# Altium PCB Bran_Main_Assay_PCB_v2_20170728.pcbdoc (part 3 of 4)
Units mil, origin at the board's own origin, x right, y up, seen from the top; angles counter-clockwise.
Board outline 3608.46 x 1899.79 mil, 6 copper layers (TOP, GND1, Singal, POWER, GND2, BOTTOM), stack 31.508 mil thick; 363 components, 288 nets, 1395 pads, 968 vias.
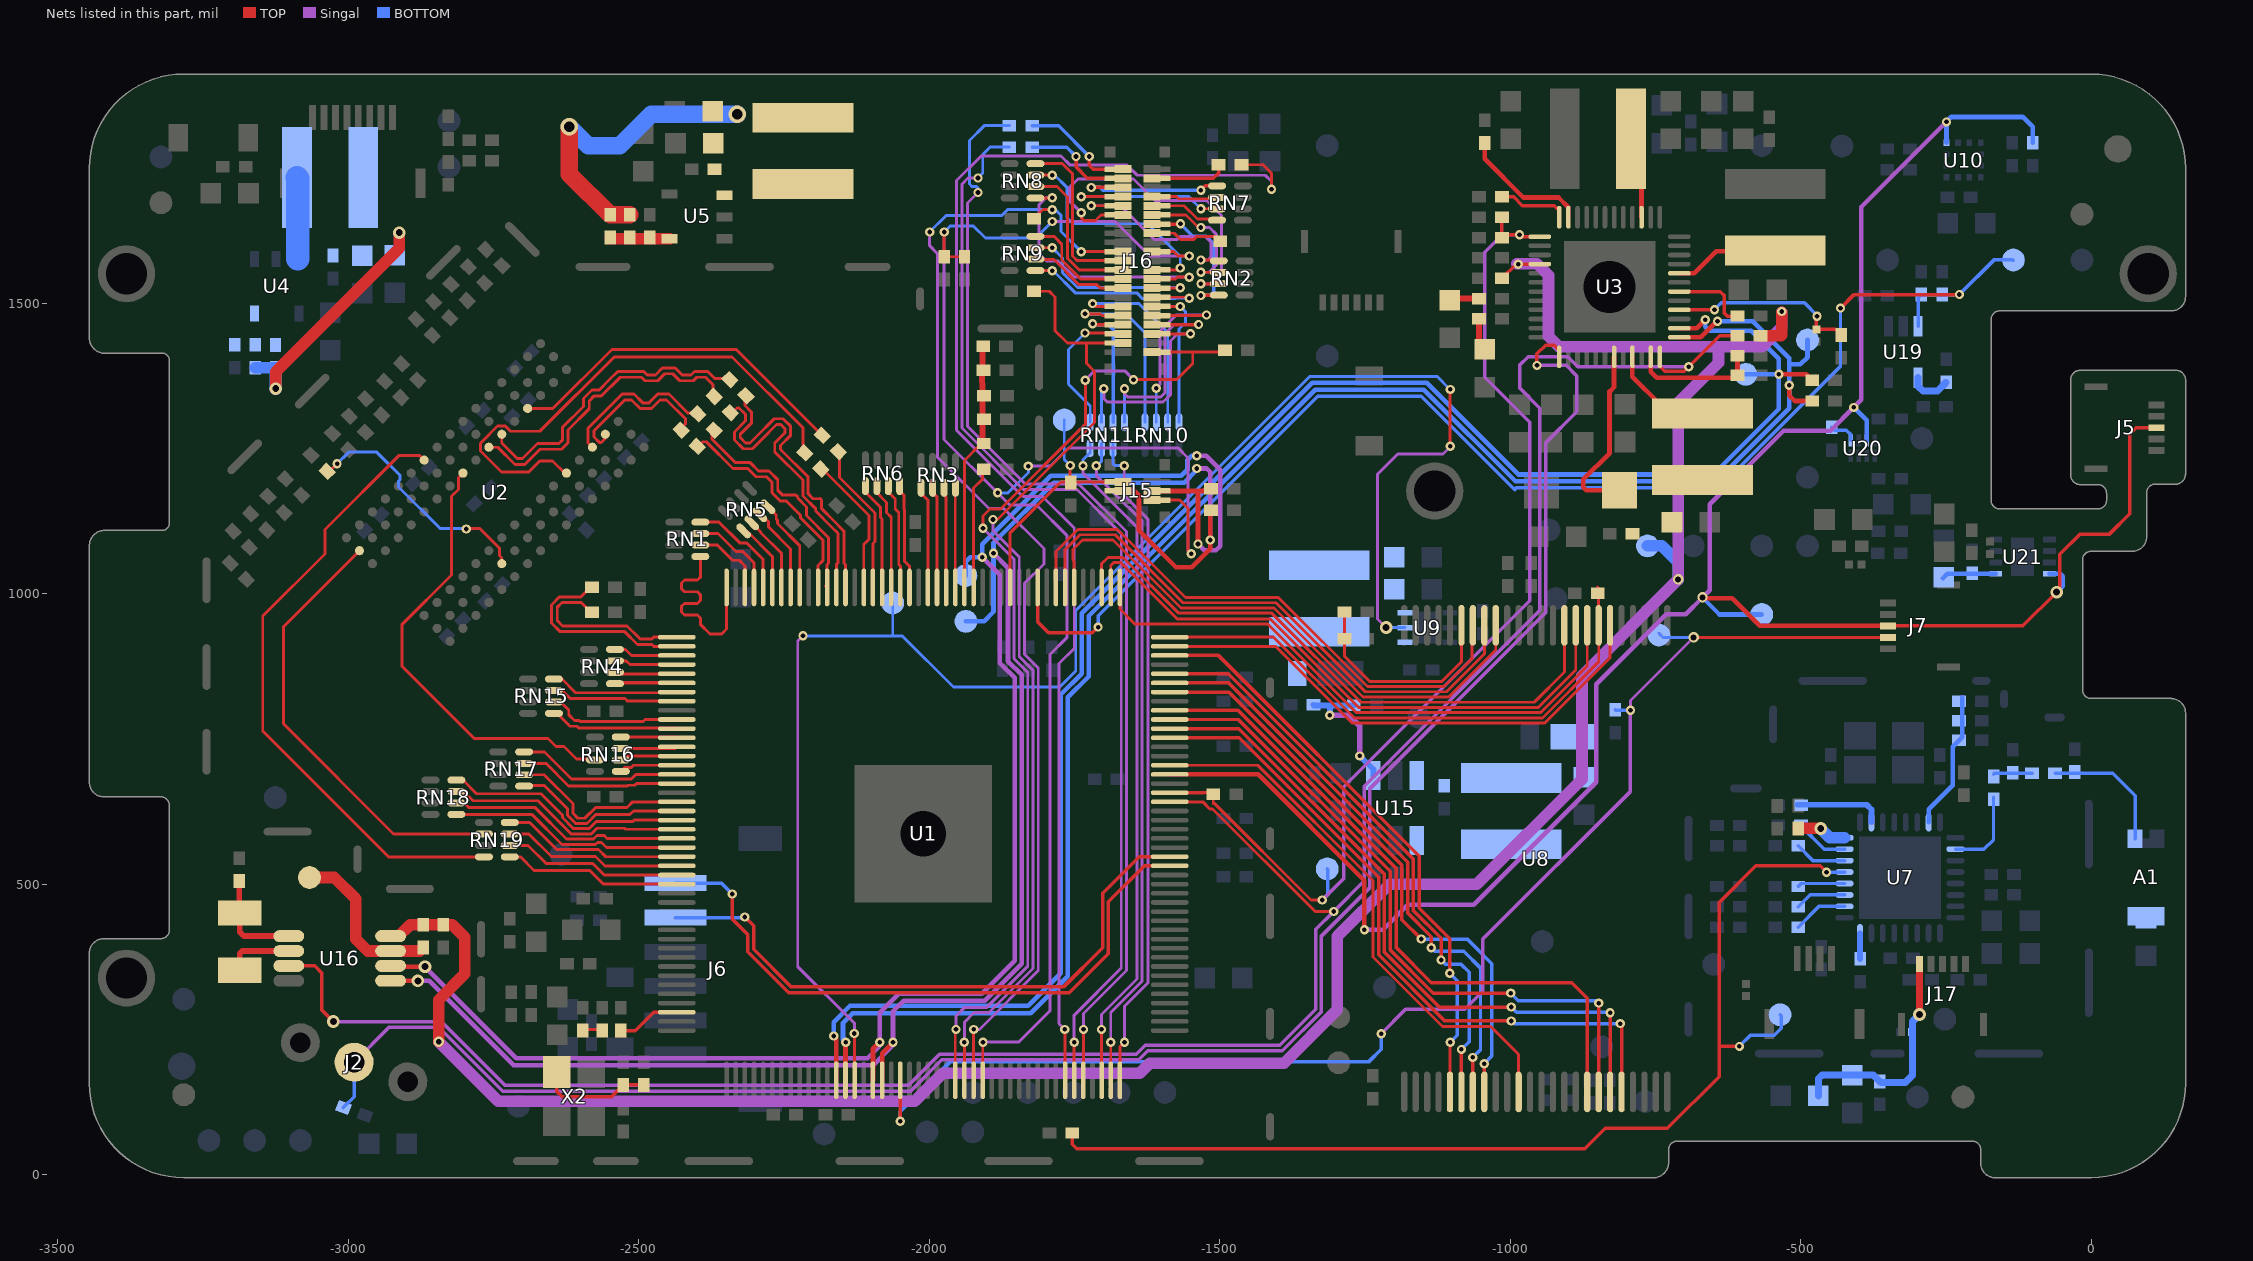
[diagram p7: the nets of this part, all layers, seen from the top]

## Via types
v1: diameter 16, hole 8, TOP to BOTTOM, tented both sides, 424 vias
v2: diameter 18, hole 10, TOP to BOTTOM, tented both sides, 255 vias
v3: diameter 22, hole 12, TOP to BOTTOM, tented both sides, 196 vias
v4: diameter 30, hole 18, TOP to BOTTOM, tented both sides, 69 vias
v5: diameter 24, hole 13, TOP to BOTTOM, tented both sides, 11 vias
v6: diameter 19.68, hole 7.87, TOP to BOTTOM, 9 vias
v7: diameter 22, hole 2, TOP to BOTTOM, tented both sides, 2 vias
v8: diameter 17.99, hole 10, TOP to BOTTOM, tented both sides, 1 vias
v9: diameter 20, hole 10, TOP to BOTTOM, tented both sides, 1 vias

## Nets (pads, with @x,y where several pads share a name; then routed paths per layer and width w, separated by ;. In a path a pad name is that pad's centre, name@x,y a point inside that pad or via, vN(x,y) a via of type N, cw(c..) or ccw(c..) an arc to the next point about the centre after c; other vN are vias at no path point) (continued)
LCD-D21: RN11.2 U1.132 | length 1150.3
  TOP w5: U1.132@-1671.85,162.71 -1671.85,220.47 v1(-1664.02,228.31)
  Singal w5: v1(-1664.45,1220.74) -1664.45,1169.4 -1623.61,1128.56 -1623.61,330.53 -1664.02,290.12 v1(-1664.02,228.31)
  BOTTOM w5: RN11.2@-1683.61,1258.83 RN11.2@-1683.61,1250.96 -1683.61,1223.99 -1680.36,1220.74 v1(-1664.45,1220.74)
LCD-D22: RN11.3 U1.131 | length 1157.3
  TOP w5: U1.131@-1687.6,162.71 v1@-1687.6,228.26
  Singal w5: v1(-1712.45,1220.83) -1712.45,1203.5 -1683.14,1174.2 -1633.65,1125.83 -1633.65,333.22 -1687.65,279.22 v1(-1687.65,228.31)
  BOTTOM w5: v1(-1712.45,1220.83) -1712.45,1219.8 -1703.29,1228.96 RN11.3@-1703.29,1250.96 RN11.3@-1703.29,1258.83
LCD-D23: RN11.4 U1.130 | length 1164.7
  TOP w5: U1.130@-1703.34,162.71 v1@-1703.34,250
  Singal w5: v1(-1735.45,1220.74) -1735.45,1207.63 -1642.65,1114.83 -1642.65,336.95 -1703.65,275.95 v1(-1703.65,250.31)
  BOTTOM w5: v1(-1735.45,1220.74) -1735.45,1230.83 -1722.98,1243.3 RN11.4@-1722.98,1250.96 RN11.4@-1722.98,1258.83
LCD-DE: R44.2 U1.128 | length 1913.3
  TOP w5: U1.128@-1734.84,162.71 -1734.65,162.9 v1(-1734.65,250.31)
  Singal w5: v1(-1916.3,1691) -1934.3,1673 -1934.3,1288.59 -1834.54,1188.83 -1742.26,1188.83 -1660.65,1107.21 -1660.65,351.68 -1734.65,277.68 v1(-1734.65,250.31)
  BOTTOM w5: v1(-1916.3,1691) -1916.3,1698.85 -1918.44,1700.99 -1926.3,1700.99 -1930.8,1705.5 -1930.8,1780.67 -1905.46,1806 R44.2@-1862.15,1806
LCD-HSYNC: R46.2 U1.127 | length 1891.6
  TOP w5: v1(-1750.65,228.31) -1750.65,162.77 U1.127@-1750.59,162.71
  Singal w5: v1(-1916.3,1716) -1933.19,1716 ; v1@-1912.46,1716 -1933.19,1716 ; v1(-1750.65,228.31) -1750.65,274.83 -1669.65,355.83 -1669.65,1103.48 -1745.99,1179.83 -1838.26,1179.83 -1943.95,1285.51 -1943.95,1705.24 -1933.19,1716
  BOTTOM w5: v1(-1916.3,1716) -1907.94,1724.35 -1907.94,1756.52 -1895.46,1769 R46.2@-1862.15,1769
LCD-PWM0: TP26.1 U1.103 U9.5 | length 2853.5
  TOP w5: v1(-2129.02,243.31) -2129.02,163.19 U1.103@-2128.54,162.71 ; v1(-1103.46,1254) v1(-1103.46,1352)
  Singal w5: v1(-2217.45,927.74) -2226.46,918.72 -2226.46,358.28 -2129.02,260.83 v1(-2129.02,243.31) ; v3(-1213.46,942) -1228.46,957 -1228.46,1206 -1193.46,1241 -1115.46,1241 -1103.46,1253 v1(-1103.46,1254)
  BOTTOM w5: v1(-2217.45,927.74) -2046.45,927.74 -1958.45,839.74 -1775.35,839.74 -1747.95,867.15 -1747.95,971.24 -1345.19,1374 -1125.46,1374 v1(-1103.46,1352) ; -2062.99,928.21 TP26.1@-2062.99,984.25 ; v3(-1213.46,942) U9.5@-1180.85,942
LCD-RESET-N: C120.2 J15.5 J16.19 R55.1 U1.117 | length 2977.5
  TOP w5: v1@-1974.45,1624.74 C120.2@-1974.45,1580.43 R55.1@-1939.45,1580.43 ; U1.117@-1908.07,162.71 v1@-1908.07,227.88 ; J15.5@-1616.73,1161.42 J15.5@-1593.5,1161.42 -1569.04,1161.42 -1554.45,1146.83 -1554.45,1074.14 v1(-1549.3,1068.99) ; J16.19@-1616.73,1589.37 J16.19@-1593.5,1589.37 -1579.08,1589.37 -1571.45,1581.74 v1(-1552.45,1581.74) v1@-1551.45,1581.74
  Singal w5: v1(-1974.46,1623) -1974.46,1266 v1(-1882.46,1174) -1861.46,1153 -1815.46,1153 -1763.3,1100.83 -1763.3,924.61 -1792.3,895.61 -1792.3,282.47 -1846.46,228.31 v1(-1907.65,228.31) ; v1(-1829.46,1220) -1791.46,1220 -1760.46,1251 -1571.46,1251 -1554.45,1233.98 -1554.45,1074.14 v1(-1549.3,1068.99) ; v1(-1788.3,1640.99) -1679.94,1640.99 -1620.69,1581.74 v1(-1552.45,1581.74)
  BOTTOM w5: v1(-1974.46,1623) -1964.47,1632.99 -1923.79,1632.99 -1903.3,1612.5 -1816.79,1612.5 v1(-1788.3,1640.99) ; v1(-1882.46,1174) -1864.46,1174 -1829.46,1209 v1(-1829.46,1220)
LCD-SPI1_CLK: J16.40 R79.2 U1.115 | length 1668.5
  TOP w5: U1.115@-1939.56,162.71 v1@-1939.56,228.22 ; v1(-1890.46,1128) -1882.74,1128 -1715.46,1295.27 -1715.46,1383 -1729.46,1397 -1729.46,1431.89 ; R79.2@-1819.78,1521 -1793.46,1521 -1783.46,1511 -1783.46,1453 -1762.35,1431.89 -1729.46,1431.89 ; J16.40@-1666.73,1431.89 J16.40@-1689.96,1431.89 -1729.46,1431.89
  Singal w5: v1(-1939.65,228.31) -1939.52,228.44 -1939.52,256.31 -1939.65,256.44 -1939.65,262.68 -1923.02,279.31 -1897.44,279.31 -1821.46,355.28 -1821.46,868.55 -1845.15,892.23 -1845.15,1063.41 -1890.46,1108.73 v1(-1890.46,1128)
LCD-SPI1_CS0: J16.41 R80.2 U1.114 | length 1748.7
  TOP w5: U1.114@-1955.31,162.71 v1@-1955.31,249.01 ; v1(-1907.46,1113) -1907.46,1134 -1895.46,1146 -1877.46,1146 -1731.46,1292 v1(-1731.46,1368) ; v1(-1648.45,1368.74) -1574.45,1368.74 -1546.45,1396.74 -1546.45,1416.14 ; J16.41@-1616.73,1416.14 J16.41@-1593.5,1416.14 -1546.45,1416.14 ; R80.2@-1491.13,1419.74 -1494.73,1416.14 -1546.45,1416.14
  Singal w5: v1(-1954.02,250.31) -1954.02,273.31 -1939.02,288.31 -1901.16,288.31 -1830.46,359.01 -1830.46,864.82 -1854.15,888.5 -1854.15,1059.68 v1(-1907.46,1113) ; v1(-1731.46,1368) -1715.46,1384 -1663.71,1384 v1(-1648.45,1368.74)
LCD-SPI1_MOSI: J16.20 R81.2 U1.116 | length 2068
  TOP w5: U1.116@-1923.82,162.71 v1@-1923.82,250.13 ; R81.2@-1819.78,1646 -1804.28,1661.5 v1(-1788.3,1661.5) ; v1@-1737.92,1589.37 J16.20@-1689.96,1589.37 J16.20@-1666.73,1589.37
  Singal w5: v1@-1999.46,1626 -1999.41,1625.94 -1999.41,1599.4 -1986.16,1586.16 -1986.16,1235.86 -1897.3,1146.99 -1871.78,1146.99 -1802.77,1077.98 -1802.77,1051.69 -1836.15,1018.32 -1836.15,895.96 -1812.46,872.28 -1812.46,351.55 -1913.71,250.31 v1(-1923.65,250.31)
  BOTTOM w5: v1(-1999.46,1623) -1970.97,1651.49 -1875.3,1651.49 -1864.79,1662 -1783.46,1662 -1773.3,1651.83 -1773.3,1623.99 v1(-1738.3,1588.99)
LCD-VSYNC: R45.2 U1.126 | length 2344.5
  TOP w5: v1(-1766.65,250.31) -1766.34,250 U1.126@-1766.34,162.71 ; R45.2@-1462.76,1738.74 -1425.69,1738.74 -1410.94,1723.99 v1(-1410.94,1696.49)
  Singal w5: v1(-1766.65,250.31) -1776.52,260.18 -1776.52,879.95 -1750.52,905.95 -1750.52,1080.14 -1750.46,1080.19 -1750.46,1113.25 -1805.04,1167.83 -1838.99,1167.83 -1952.95,1281.78 -1952.95,1711.76 -1910.71,1754 -1773.46,1754 -1757.46,1738 -1659.5,1738 -1642.16,1720.67 -1421.62,1720.67 -1410.94,1709.99 v1(-1410.94,1696.49)
LDO_1V8_EN: R199.2 R210.1 TP2.1 U1.10 U19.3 | length 2339.2
  TOP w6: U1.10@-1813.58,1011.13 -1813.58,951.66 -1794.75,932.83 -1719.45,932.83 v1(-1709.45,942.83) ; v1(-431.46,1492) -408.15,1515.31 v1(-226.78,1515.31)
  BOTTOM w6: v1(-1709.45,942.83) -1709.45,962.37 -1331.32,1340.5 -1153.36,1340.5 -992.36,1179.49 -989.21,1182.64 -640.59,1182.64 -431.46,1391.76 v1(-431.46,1492) ; U19.3@-297.87,1460.91 -297.87,1509.91 R199.2@-292.46,1515.31 v1(-226.78,1515.31) -167.29,1574.8 -134.76,1574.8 TP2.1@-133.86,1573.91
LRADC: R181.1 U1.86 | length 109.7
  TOP w6: R181.1@-2531.3,248.31 -2506.17,248.31 -2474.64,279.83 U1.86@-2434.64,279.83
N495906: D4.2 R28.1 U3.4 | length 321.5
  TOP w6: U3.4@-708.94,1488.94 v1@-648.53,1488.94 ; v1(-472,1478) -473,1477 D4.2@-473,1455.43 -440.06,1455.43 R28.1@-430.3,1445.68
  BOTTOM w6: v1(-648.46,1489) -636.46,1501 -493.46,1501 v1@-471.23,1478.77
N496392: C42.1 C44.1 L1.1 R11.2 U3.43 | length 311.4
  TOP w8: U3.43@-821.14,1408.23 -821.39,1407.98 -821.39,1356.68 -821.14,1356.43 -821.14,1356.18 -829.02,1348.31 -829.02,1242.09 -874.02,1197.09 -874.02,1183.31 -869.02,1178.31 R11.2@-811.69,1178.31
N496496: L2.1 U3.8 | length 181.2
  TOP w8: U3.8@-708.94,1551.93 -682.93,1551.93 -645.28,1589.57 -545.66,1589.57 L2.1@-544.02,1591.22
N496956: C70.2 R22.1 U3.47 | length 214.9
  TOP w6: U3.47@-758.15,1405 U3.47@-758.15,1408.23
  TOP w8: U3.47@-758.15,1405 -758.15,1382.69 -747.77,1372.31 -612.39,1372.31 C70.2@-608.7,1376 R22.1@-608.69,1410.11
N497310: C62.2 U3.24 | length 120.1
  TOP w6: C62.2@-1014.33,1683.31 -994.02,1683.31 -979.02,1668.31 -924.02,1668.31 ; -924.12,1668.41 -924.02,1668.31 ; U3.24@-915.63,1648.39 -915.63,1659.92 -924.02,1668.31
N497342: R19.2 U3.23 | length 222.9
  TOP w8: R19.2@-1044.02,1776.14 -1044.02,1748.86 -977.46,1682.31 -916.92,1682.31 -899.88,1665.27 U3.23@-899.88,1648.39
N497492: L4.1 U3.15 | length 137.4
  TOP w8: L4.1@-809.02,1771.22 -809.02,1763.31 -773.9,1728.19 U3.15@-773.9,1648.39
N497618: L1.2 U3.45 | length 160.2
  TOP w8: U3.45@-789.65,1408.23 -789.65,1373.94 -740.02,1324.32 L1.2@-684.33,1324.32
N499368: C43.1 C51.1 C52.1 L3.1 L13.2 R13.2 | length 428
  TOP w20: v3(-3125.02,1353.31) -3125.02,1382.17 -2912.45,1594.74 v3(-2912.45,1621.74)
  BOTTOM w20: R13.2@-3160.45,1389.37 -3125.68,1389.37 C43.1@-3125.45,1389.14 v3@-3125.45,1352.74
N499376: C43.2 R12.2 R13.1 U4.5
N499488: L3.2 U4.3 | length 140.6
  BOTTOM w40: L3.2@-3088.54,1716.74 -3087.05,1715.25 U4.3@-3087.05,1576.74
N502826: C58.1 C65.1 C66.1 L5.1 L12.2 R18.2 | length 539.1
  TOP w30: v4(-2619.46,1804) -2619.46,1722.68 R18.2@-2549.46,1652.69 C58.1@-2515.46,1652.68
  BOTTOM w30: v4(-2619.46,1804) -2587.2,1771.74 -2532.72,1771.74 -2478.72,1825.74 v4(-2330.45,1825.74)
N502890: C58.2 R17.2 R18.1 U5.5 | length 103.3
  TOP w20: R18.1@-2549.46,1613.32 -2547.49,1611.34 U5.5@-2446.94,1611.34
N502982: L5.2 U5.3
N16922120: C54.1 R15.2 | length 51.4
  TOP w10: C54.1@-1104.02,1505.81 -1101.52,1508.31 R15.2@-1053.7,1508.31
N16974975: J16.3 R45.1 | length 132.7
  TOP w6: J16.3@-1616.73,1715.35 J16.3@-1593.5,1715.35 -1511.11,1715.35 -1502.13,1724.33 R45.1@-1502.13,1738.74
N16974977: J16.4 R46.1 | length 188.8
  TOP w6: v1(-1747.46,1753) -1747.46,1735 -1727.82,1715.35 J16.4@-1689.96,1715.35 J16.4@-1666.73,1715.35
  BOTTOM w6: R46.1@-1822.78,1769 -1763.46,1769 v1(-1747.46,1753)
N16975074: J16.2 R44.1 | length 195.9
  TOP w6: v1(-1724.46,1753) -1724.46,1738 -1717.57,1731.1 J16.2@-1689.96,1731.1 J16.2@-1666.73,1731.1
  BOTTOM w6: R44.1@-1822.78,1806 -1777.46,1806 v1(-1724.46,1753)
N16976082: J16.6 RN7.5 | length 275.5
  TOP w6: v1@-1720.31,1699.61 J16.6@-1689.96,1699.61 J16.6@-1666.73,1699.61 ; v1(-1532.45,1694.74) -1524.92,1702.27 RN7.5@-1504.7,1702.27
  BOTTOM w6: v1(-1721.46,1699.61) -1705.94,1699.61 -1701.08,1694.74 v1(-1532.45,1694.74)
N16976085: J16.7 RN7.6 | length 114.5
  TOP w5: J16.7@-1616.73,1683.86 J16.7@-1593.5,1683.86 -1574.45,1683.86 -1570.83,1680.24 -1507.04,1680.24 RN7.6@-1504.7,1682.58
N16976088: J16.8 RN7.7 | length 316.8
  TOP w5: v1@-1738.18,1683.86 J16.8@-1689.96,1683.86 J16.8@-1666.73,1683.86 ; v1@-1535.45,1662.74 v1(-1532.45,1662.74) -1532.29,1662.9 RN7.7@-1504.7,1662.9
  BOTTOM w5: v1(-1738.3,1683.74) -1553.45,1683.74 v1(-1532.45,1662.74)
N16976091: J16.9 RN7.8 | length 122.3
  TOP w5: J16.9@-1616.73,1668.11 J16.9@-1593.5,1668.11 -1561.32,1668.11 -1538.45,1645.24 -1506.73,1645.24 RN7.8@-1504.7,1643.21
N16976439: J16.15 R54.1 | length 127.6
  TOP w5: J16.15@-1616.73,1620.87 J16.15@-1593.5,1620.87 -1578.45,1620.87 -1567.82,1610.24 -1544.7,1610.24 -1539.7,1615.24 -1507.63,1615.24 R54.1@-1499.13,1606.74
N16977236: J16.25 RN8.5 | length 495.8
  TOP w5: RN8.5@-1816.68,1682 RN8.5@-1817.21,1681.47 -1787.99,1681.47 v1@-1787.46,1682 ; J16.25@-1616.73,1542.13 J16.25@-1593.5,1542.13 -1575.94,1542.13 -1572.83,1545.24 v1(-1552.45,1545.24)
  Singal w5: v1(-1788.3,1682) -1799.29,1682 ; v1@-1787.46,1682 -1799.29,1682 ; v1(-1552.45,1545.24) -1750.55,1545.24 -1778.3,1572.99 -1798.3,1572.99 -1811.3,1585.99 -1811.3,1669.99 -1799.29,1682
N16977237: J16.24 RN8.6 | length 257.6
  TOP w5: RN8.6@-1803.21,1701.16 -1780.3,1701.16 -1762.3,1683.16 -1762.3,1577.8 -1742.38,1557.87 J16.24@-1689.96,1557.87 J16.24@-1666.73,1557.87
N16977238: J16.23 RN8.7 | length 407.6
  TOP w5: RN8.7@-1817.21,1720.84 v1(-1788.3,1720.84) v1@-1784.3,1720.84 ; J16.23@-1616.73,1557.87 J16.23@-1593.5,1557.87 -1571.06,1557.87 v1(-1567.94,1560.99)
  BOTTOM w5: v1@-1784.3,1720.84 -1763.3,1699.83 -1763.3,1647.99 -1752.55,1637.24 -1624.19,1637.24 -1567.94,1580.99 v1(-1567.94,1560.99)
N16977239: J16.22 RN8.8 | length 302.7
  TOP w5: RN8.8@-1817.21,1740.53 -1770.46,1740.53 -1753.3,1723.36 -1753.3,1581.52 -1745.4,1573.62 J16.22@-1689.96,1573.62 J16.22@-1666.73,1573.62
N16977240: J16.29 RN9.5 | length 347.6
  TOP w5: RN9.5@-1817.21,1556.47 v1(-1788.3,1556.47) v1@-1786.93,1556.47 ; J16.29@-1616.73,1510.63 J16.29@-1593.5,1510.63 v1@-1554.34,1510.63
  BOTTOM w5: v1@-1786.69,1556.47 -1786.93,1556.47 -1748.7,1518.24 -1642.95,1518.24 -1633.45,1508.74 -1575.95,1508.74 -1575.45,1509.24 -1552.95,1509.24 v1(-1552.45,1508.74)
N16977241: J16.28 RN9.6 | length 171.1
  TOP w5: RN9.6@-1817.21,1576.16 -1816.59,1575.53 -1785.49,1575.53 -1742.2,1532.24 -1711.64,1532.24 -1705.78,1526.38 J16.28@-1689.96,1526.38 J16.28@-1666.73,1526.38
N16977242: J16.27 RN9.7 | length 342.5
  TOP w5: RN9.7@-1817.21,1595.84 v1@-1786.62,1595.84 ; J16.27@-1616.73,1526.38 J16.27@-1593.5,1526.38 v1@-1568.56,1526.38
  BOTTOM w5: v1(-1788.3,1596) -1770.46,1578.17 -1770.46,1552.97 -1744.74,1527.24 -1568.19,1527.24 v1(-1567.94,1526.99)
N16977243: J16.26 RN9.8 | length 196.9
  TOP w5: RN9.8@-1817.21,1615.53 -1785.49,1615.53 -1771.96,1602.01 -1771.96,1574.73 -1739.36,1542.13 J16.26@-1689.96,1542.13 J16.26@-1666.73,1542.13
N16977551: J16.34 RN10.5 | length 337.2
  TOP w5: v1(-1731.94,1481.99) -1705.8,1481.99 -1702.94,1479.13 J16.34@-1689.96,1479.13 J16.34@-1666.73,1479.13
  BOTTOM w5: v1(-1731.94,1481.99) -1660.98,1481.99 -1628.98,1449.99 RN10.5@-1628.98,1295.44
N16977552: J16.33 RN10.6 | length 343.8
  TOP w5: J16.33@-1616.73,1479.13 J16.33@-1593.5,1479.13 v1@-1523.8,1479.13
  Singal w5: v1(-1609.45,1353.74) -1602.95,1360.24 -1602.95,1451.99 -1574.94,1479.99 v1(-1522.94,1479.99)
  BOTTOM w5: v1(-1609.45,1353.74) -1609.29,1353.58 RN10.6@-1609.29,1295.44
N16977553: J16.32 RN10.7 | length 358.7
  TOP w5: v1(-1718.94,1499.74) -1714.08,1494.88 J16.32@-1689.96,1494.88 J16.32@-1666.73,1494.88
  BOTTOM w5: v1(-1718.94,1499.74) -1639.45,1499.74 -1589.61,1449.9 RN10.7@-1589.61,1295.44
N16977554: J16.31 RN10.8 | length 278.8
  TOP w5: J16.31@-1616.73,1494.88 -1616.59,1494.74 v1@-1569.45,1494.74 ; J16.31@-1593.5,1494.88 v1@-1569.59,1494.88
  BOTTOM w5: RN10.8@-1569.92,1295.44 -1569.92,1456.02 -1558.94,1466.99 -1558.94,1485.74 v1(-1567.94,1494.74)
N16977555: J16.38 RN11.5 | length 269.9
  TOP w5: v1(-1731.94,1448.99) -1668.09,1448.99 J16.38@-1666.73,1447.64 J16.38@-1689.96,1447.64
  BOTTOM w5: v1(-1731.94,1448.99) -1760.46,1420.47 -1760.46,1361 -1722.98,1323.51 RN11.5@-1722.98,1295.44
N16977556: J16.37 RN11.6 | length 398.9
  TOP w5: J16.37@-1616.73,1447.64 J16.37@-1593.5,1447.64 v1(-1550.35,1447.64)
  Singal w5: v1(-1699.46,1353.21) -1699.46,1336 -1693.7,1330.24 -1597.5,1330.24 -1584.95,1342.79 -1584.95,1435.24 -1572.55,1447.64 v1(-1550.35,1447.64)
  BOTTOM w5: RN11.6@-1704.45,1296.6 RN11.6@-1703.29,1295.44 -1703.29,1349.39 v1(-1699.46,1353.21)
N16977557: J16.36 RN11.7 | length 243.7
  TOP w6: v1@-1715.46,1463 -1715.08,1463.39 J16.36@-1689.96,1463.39 J16.36@-1666.73,1463.39
  BOTTOM w6: v1@-1715.46,1463 -1691.46,1463 -1683.61,1455.14 RN11.7@-1683.61,1295.44
  other v1: -1718.94,1464.99
N16977558: J16.35 RN11.8 | length 387.7
  TOP w6: J16.35@-1616.73,1463.39 J16.35@-1593.5,1463.39 -1536.8,1463.39 v1(-1536.45,1463.74)
  Singal w5: v1(-1663.92,1353.21) -1663.92,1344.45 -1658.7,1339.24 -1601.22,1339.24 -1593.95,1346.52 -1593.95,1448.24 -1578.45,1463.74 v1(-1536.45,1463.74)
  BOTTOM w5: RN11.8@-1663.92,1295.44 v1(-1663.92,1353.21)
N16978242: J16.10 RN2.5 | length 369.3
  TOP w5: v1(-1721.46,1668) -1721.71,1668 -1721.82,1668.11 J16.10@-1689.96,1668.11 J16.10@-1666.73,1668.11 ; v1(-1532.45,1574.74) -1503.17,1574.74 RN2.5@-1501.7,1573.27
  Singal w5: v1(-1721.46,1668) -1721.71,1668 -1721.82,1668.11 -1670.82,1668.11 -1612.45,1609.74 -1573.94,1609.74 -1568.44,1615.24 -1525.2,1615.24 -1514.95,1604.99 -1514.95,1580.24 -1520.45,1574.74 v1(-1532.45,1574.74)
N16978245: J16.11 RN2.6 | length 239.9
  TOP w5: J16.11@-1616.73,1652.36 J16.11@-1593.5,1652.36 -1558.3,1652.36 -1536.68,1630.74 v1(-1532.45,1630.74) ; v1(-1532.45,1553.74) -1501.86,1553.74 RN2.6@-1501.7,1553.58
  Singal w5: v1(-1532.45,1553.74) -1518.45,1553.74 -1505.95,1566.24 -1505.95,1618.99 -1517.7,1630.74 v1(-1532.45,1630.74)
N16978418: J16.12 RN2.7 | length 605.5
  TOP w5: v1(-1738.3,1655.99) -1738.3,1647.35 -1733.94,1642.99 -1713.94,1642.99 -1704.57,1652.36 J16.12@-1689.96,1652.36 J16.12@-1666.73,1652.36 ; v1(-1532.45,1533.74) -1501.86,1533.74 RN2.7@-1501.7,1533.9
  Singal w5: v1(-1738.3,1655.99) -1758.94,1676.64 -1758.94,1698.99 -1743.83,1714.11 -1648.33,1714.11 -1611.46,1677.24 -1522.7,1677.24 -1496.95,1651.48 -1496.95,1551.24 -1514.45,1533.74 v1(-1532.45,1533.74)
N16978424: J16.13 RN2.8 | length 259.5
  TOP w6: J16.13@-1616.73,1636.61 J16.13@-1593.5,1636.61 -1567.85,1636.61 v1(-1567.46,1637) ; v1(-1532.45,1513.74) -1502.17,1513.74 RN2.8@-1501.7,1514.21
  BOTTOM w6: v1(-1567.46,1637) -1567.46,1636.54 -1546.66,1615.74 -1523.19,1615.74 -1510.45,1603 -1510.45,1519.74 -1516.45,1513.74 v1(-1532.45,1513.74)
N16998285: C38.2 R9.2 X2.3 | length 194.9
  TOP w6: X2.3@-2641.07,176.98 -2641.07,143.43 -2641.13,143.43 -2632.02,134.31 -2547.02,134.31 -2526.7,154.62 R9.2@-2492.02,154.62
N17029739: R74.2 U2.C7 | length 273.3
  TOP w5: U2.C7@-2580.03,1252.5 -2587.43,1259.9 -2587.43,1285.07 -2528.58,1343.92 -2508.43,1343.92 -2493.43,1328.92 -2482.58,1328.92 -2467.58,1343.92 -2448.28,1343.92 -2415.87,1311.51 R74.2@-2400.02,1311.51
N17029768: R75.2 U2.B7 | length 271.6
  TOP w5: U2.B7@-2557.76,1274.77 -2557.76,1267.59 -2564.43,1260.92 -2568.1,1260.92 -2577.43,1270.25 -2577.43,1280.92 -2524.43,1333.92 -2512.58,1333.92 -2497.58,1318.92 -2478.43,1318.92 -2463.43,1333.92 -2452.43,1333.92 -2419.43,1300.92 -2419.43,1293.1 R75.2@-2429.02,1283.51
N17030637: R73.2 U2.G3 | length 519.9
  TOP w5: U2.G3@-2758.2,1252.49 -2742.97,1252.49 -2713.4,1222.92 -2696.28,1222.92 -2670.28,1248.92 -2633.08,1248.92 -2621.7,1260.3 -2621.7,1282.28 -2585.43,1318.55 -2585.43,1332.14 -2576.65,1340.92 -2564.06,1340.92 -2532.06,1372.92 -2495.58,1372.92 -2489.58,1366.92 -2467.43,1366.92 -2455.43,1378.92 -2441.58,1378.92 -2429.58,1366.92 -2406.28,1366.92 -2400.28,1372.92 -2385.43,1372.92 -2372.02,1359.51 R73.2@-2372.02,1341.51
N17030639: R72.2 U2.F3 | length 520.2
  TOP w5: U2.F3@-2735.92,1274.77 -2735.92,1259.59 -2709.25,1232.92 -2700.43,1232.92 -2674.43,1258.92 -2637.23,1258.92 -2631.7,1264.45 -2631.7,1286.43 -2595.43,1322.7 -2595.43,1336.29 -2580.8,1350.92 -2568.21,1350.92 -2549.43,1369.7 -2536.22,1382.92 -2491.43,1382.92 -2485.43,1376.92 -2471.58,1376.92 -2459.58,1388.92 -2437.43,1388.92 -2425.43,1376.92 -2410.43,1376.92 -2404.43,1382.92 -2381.28,1382.92 -2368.87,1370.51 R72.2@-2345.02,1370.51
N17030675: R77.2 U2.D3 | length 608.1
  TOP w5: U2.D3@-2691.38,1319.31 -2648.04,1319.31 -2546.43,1420.92 -2332.35,1420.92 R77.2@-2186.02,1274.51
N17030677: R76.2 U2.E7 | length 910.1
  TOP w5: U2.E7@-2624.57,1207.96 -2627.47,1207.96 -2648.43,1228.92 -2670.43,1228.92 -2689.43,1209.92 -2736.43,1209.92 -2764,1237.49 -2772.73,1245.8 -2772.73,1259.18 -2771.4,1260.51 -2743.2,1289.15 -2729.96,1289.15 -2720.73,1279.92 -2670.43,1279.92 -2542.43,1407.92 -2339.42,1407.92 -2217.41,1285.91 -2217.41,1245.9 R76.2@-2216.02,1244.51
N17031032: R71.2 U2.L8 | length 421.2
  TOP w5: R71.2@-3034.84,1209.33 v1(-3019.43,1223.92) ; v1(-2797.01,1111.67) -2795.84,1112.84 -2774.35,1112.84 -2740.11,1078.6 -2740.11,1066.11 -2735.92,1061.92 U2.L8@-2735.92,1052.06
  BOTTOM w5: v1(-3019.43,1223.92) -2999.43,1243.92 -2951.12,1243.92 -2911.39,1204.19 -2911.39,1196.15 -2913.51,1194.03 -2913.51,1184.25 -2842.1,1112.84 -2798.18,1112.84 v1(-2797.01,1111.67)
N17176459: R151.2 U3.6 | length 135.1
  TOP w6: U3.6@-708.94,1520.43 -674.02,1520.43 ; -673.65,1520.43 -638.36,1520.43 -631.23,1513.31 -631.23,1483.03 -626.51,1478.31 R151.2@-608.7,1478.31
N17436294: R156.1 U7.2 | length 145.7
  BOTTOM w5.7: U7.2@-233.54,560.52 -184.46,560.52 -167.94,577.04 R156.1@-167.94,646.31 R156.1@-167.94,650.31
N17436340: C213.1 C215.1 R156.2 | length 66.9
  BOTTOM w5.7: R156.2@-167.94,689.68 -166.63,690.99 C213.1@-101.63,690.99
N17436479: A1.3@75.79,578.74 C213.2 C216.1 | length 227.9
  BOTTOM w5.7: C213.2@-62.26,690.99 37.54,690.99 75.79,652.75 A1.3@75.79,578.74
N17436778: A1.2 R160.1
N17439379: R204.1 U7.26 | length 153
  BOTTOM w10: R204.1@-505.78,637 -386.3,637 -378.23,628.93 U7.26@-378.23,606.78
N17493110: C1.1 R2.2 | length 32
  TOP w5: R2.2@-2596.3,250.31 C1.1@-2564.3,250.31
N17550444: C225.1 C227.1 D18.1 L18.1 U15.6
N17550467: L18.2 U15.1
N17550469: R188.2 R189.1 U15.4 | length 241.4
  Singal w10: v1(-1310.46,791) -1277.46,791 -1259.02,772.55 v1(-1259.02,721.1)
  BOTTOM w10: R188.2@-1338.78,809 -1337.78,808 -1310.46,808 ; v1(-1310.46,791) -1310.46,808 ; R189.1@-1269.15,808 -1310.46,808 ; v1(-1259.02,721.1) -1235.42,697.5 U15.4@-1235.42,687.1